# Altium PCB MEGAphone.PcbDoc (part 2 of 5)
Units mm, origin at the board's own origin, x right, y up, seen from the top; angles counter-clockwise.
Board outline 213.75 x 99.74 mm, 4 copper layers (Component Side, Signal Layer 1, Signal Layer 2, Bottom Layer), stack 1.49 mm thick; 321 components, 321 nets, 1903 pads, 1858 vias.
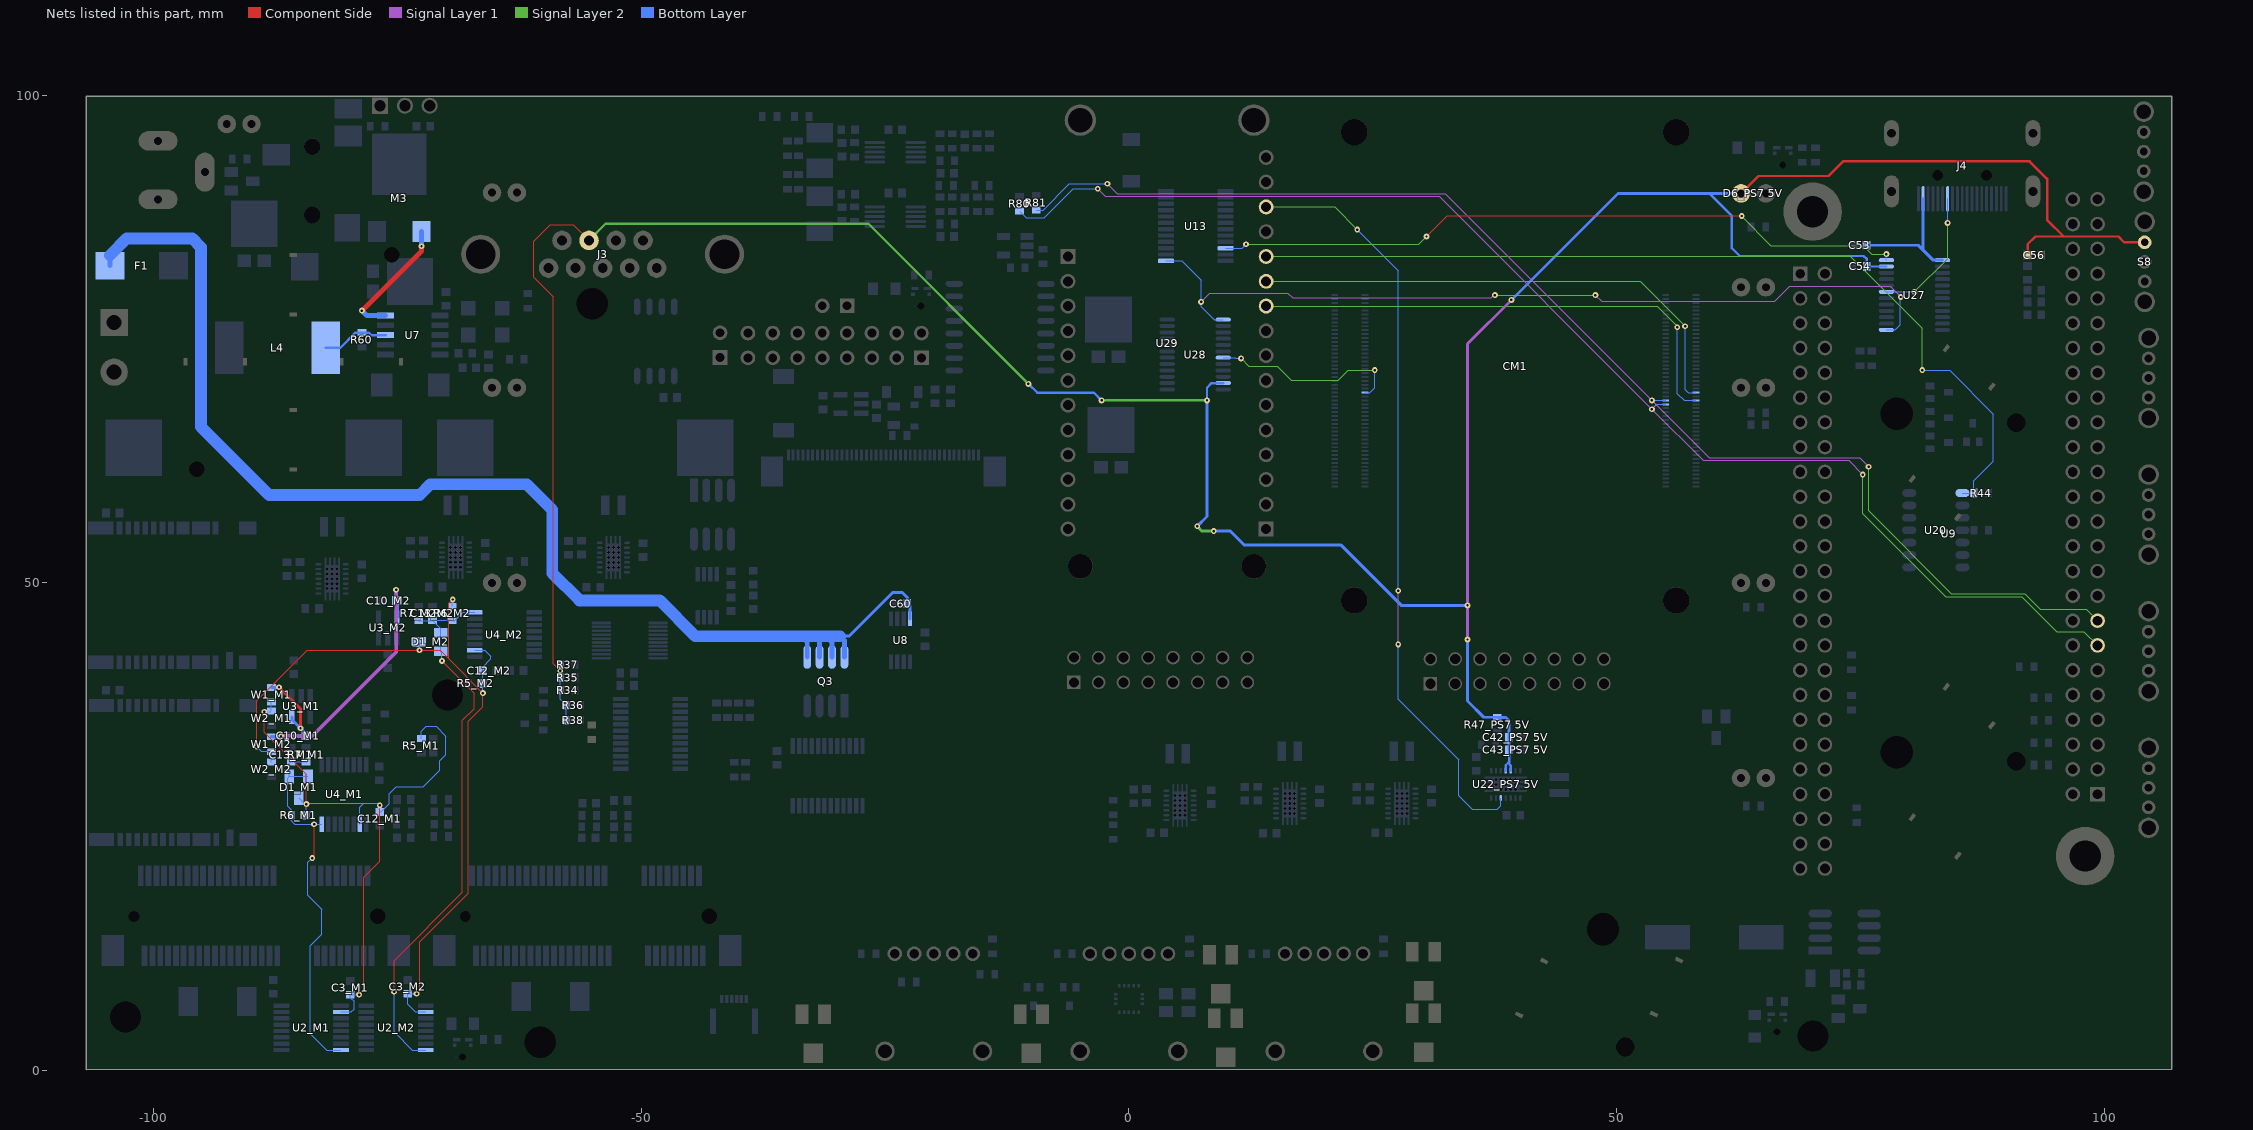
[diagram p4: the nets of this part, all layers, seen from the top]

## Footprints (in the part's own frame and the unit in brackets; to place one, negate y for a bottom-side part, rotate by r counter-clockwise, add the part's x,y. Pads: shape width x height; smd on the part's side, far side on the other; paste and mask are expansions set on the pad) (continued)
DSJ14-4000X1580TP_V [mm] "SON, 14-Leads, Body 4.15x3.15mm, Pitch 0.5mm"
  oval 0.6x0.24 smd mask+0.07: 1(-1.4,1.5) 2(-1.4,1) 3(-1.4,0.5) 4(-1.4,0) 5(-1.4,-0.5) 6(-1.4,-1) 7(-1.4,-1.5) 8(1.4,-1.5) 9(1.4,-1) 10(1.4,-0.5) 11(1.4,0) 12(1.4,0.5) 13(1.4,1) 14(1.4,1.5)
  rect 0.2x0.775 smd: 15(-0.69,-1.813) 15(-0.69,1.813) 15(-0.23,-1.813) 15(-0.23,1.813) 15(0.23,-1.813) 15(0.23,1.813) 15(0.69,-1.813) 15(0.69,1.813)
  round 0.3 hole 0.3: 15(-0.508,-1.016) 15(-0.508,-0.508) 15(-0.508,0) 15(-0.508,0.508) 15(-0.508,1.016) 15(0,-1.016) 15(0,-0.508) 15(0,0) 15(0,0.508) 15(0,1.016) 15(0.508,-1.016) 15(0.508,-0.508) 15(0.508,0) 15(0.508,0.508) 15(0.508,1.016)
  rect 1.58x2.85 smd paste-1: 15(0,0)
  silkscreen extent -2.15,1.45 -2.05,1.55, body extent -1.57,-2.07 1.57,2.08, height 1
FC-135 [mm] "Low profile SMD crystal"
  rect 1x1.8 smd: 1(-1.25,0) 2(1.25,0)
  silkscreen extent -0.5,-0.8 0.5,0.8, body extent -1.6,-0.75 1.6,0.75, height 0.8
FP-95570-MFG [mm]
  rect 1.4x1.27 smd paste+0 mask+0: 1(1.04,-2.765) 2(-1.04,-2.765)
  rect 4.8x4.72 smd paste+0 mask+0: K(0,1.04)
  silkscreen extent -2.17,-3.07 2.18,-1.7, body extent -2.3,-3.25 2.3,3.25, height 1.21
FP-C04-189-MFG [mil]
  rect 73x85 smd paste+0 mask+0: 1(-90,-176.25) 3(90,-176.25)
  rect 219x248 smd paste+0 mask+0: 4(0,94.75)
  silkscreen extent -133,-90 132,155, body extent -129,-195 129,195, height 99
"FUSE OMF125" [mm] "SCHURTER OMF125"
  rect 3x2.8 smd: 1(-3.25,0) 2(3.25,0)
  silkscreen extent -3.7,-1.8 3.7,1.8, body extent -3.7,-1.55 3.7,1.55, height 2.58
HDR1X2 [mm] "Connector; Header; 2 Position"
  rect 1.5x1.5 hole 0.9: 1(0,0)
  round 1.5 hole 0.9: 2(2.54,0)
  silkscreen extent -1.27,-1.27 3.81,1.27
HDR2X8 [mm] "Connector; Header; 8x2 Position"
  rect 1.5x1.5 hole 0.9: 1(0,0)
  round 1.5 hole 0.9: 2(0,2.54) 3(2.54,0) 4(2.54,2.54) 5(5.08,0) 6(5.08,2.54) 7(7.62,0) 8(7.62,2.54) 9(10.16,0) 10(10.16,2.54) 11(12.7,0) 12(12.7,2.54) 13(15.24,0) 14(15.24,2.54) 15(17.78,0) 16(17.78,2.54)
  silkscreen extent -1.27,-1.27 19.05,3.81
KEMT-T491-D_L [mm] "Molded Capacitor, 2-Leads, Body 7.60x4.60mm, IPC High Density"
  rect 2.2x2.35 smd: 1(-2.925,0) 2(2.925,0)
  silkscreen extent -4.52,-2.3 3.8,2.3, body extent -3.8,-2.3 3.8,2.3, height 3.1
LCD [mm]
  silkscreen extent -60.25,-41.25 60.25,38.25, body extent -60.25,-38.25 60.25,38.25, height 6.5
"LED 3mm Red" [mm]
  round 1.9 hole 0.813: A(1.27,0) K(-1.27,0)
  silkscreen extent -2.3,-2.54 2.54,2.54, body extent -1.49,-1.5 1.5,1.5, height 4.7
LGA-16_3x3x1mm [mil] "Accelerometer"
  rect 14x10 smd paste+0 mask+0: 1(53,-39.37) 2(53,-19.68) 3(53,0) 4(53,19.69) 5(53,39.37) 9(-53,39.37) 10(-53,19.69) 11(-53,0) 12(-53,-19.68) 13(-53,-39.37)
  rect 10x14 smd paste+0 mask+0: 6(19.69,53) 7(0,53) 8(-19.68,53) 14(-19.68,-53) 15(0,-53) 16(19.69,-53)
  silkscreen extent -80,-67 67,67
"MICROPHONE MEMS SPW0690LM4H-1"#1 [mm] "MULTIMODE DIGITAL BOTTOM PORT  SISONIC™ MICROPHONE"
  round 0 hole 0.7 unplated: 0(0,0)
  rect 0.748x0.353 smd paste+0 mask+0: 1(-0.635,1.778) 5(0.614,1.778)
  rect 0.374x0.348 smd paste+0 mask+0: 2(-0.821,1.181) 4(0.821,1.181)
  round 0.1 smd paste-10 mask+0.051: 3(0.662,0)
  Component Side region: -0.821,1.356 -0.821,1.008 -0.392,1.008 -0.261,1.062 -0.261,1.356
  Component Side region: 0.821,1.356 0.821,1.008 0.392,1.008 0.261,1.062 0.261,1.356
  Component Side lines w0.3: 0.663,0 ccw(c0,0) -0.663,0 ccw(c0,0) 0,-0.663 ccw(c0,0) 0.663,0
  silkscreen extent -1.13,-1.14 1.11,2.08, body extent -1.25,-0.98 1.25,2.12, height 0.85
"MICROPHONE MEMS SPW0690LM4H-1"#2 [mm] "MULTIMODE DIGITAL BOTTOM PORT  SISONIC™ MICROPHONE"
  round 0 hole 0.7 unplated: 0(0,0)
  rect 0.748x0.353 smd paste+0 mask+0: 1(-0.635,1.778) 5(0.614,1.778)
  rect 0.374x0.348 smd paste+0 mask+0: 2(-0.821,1.182) 4(0.821,1.182)
  round 0.1 smd paste-10 mask+0.051: 3(0.663,0)
  Component Side region: -0.821,1.356 -0.821,1.008 -0.392,1.008 -0.261,1.062 -0.261,1.356
  Component Side region: 0.821,1.356 0.821,1.008 0.392,1.008 0.261,1.062 0.261,1.356
  Component Side lines w0.3: 0.663,0 cw(c0,0) 0.638,-0.179 cw(c0,0) -0.313,-0.584 cw(c0,0) -0.663,0 cw(c0,0) -0.658,0.079 cw(c0,0) 0.663,0
  silkscreen extent -1.13,-1.14 1.11,2.08, body extent -1.25,-0.98 1.25,2.12, height 0.85
"MICROPHONE MEMS SPW0690LM4H-1"#3 [mm] "MULTIMODE DIGITAL BOTTOM PORT  SISONIC™ MICROPHONE"
  round 0 hole 0.7 unplated: 0(0,0)
  rect 0.748x0.353 smd paste+0 mask+0: 1(-0.635,1.778) 5(0.614,1.778)
  rect 0.374x0.348 smd paste+0 mask+0: 2(-0.821,1.182) 4(0.821,1.182)
  round 0.1 smd paste-10 mask+0.051: 3(0.663,0)
  Component Side region: -0.821,1.356 -0.821,1.008 -0.392,1.008 -0.261,1.062 -0.261,1.356
  Component Side region: 0.821,1.356 0.821,1.008 0.392,1.008 0.261,1.062 0.261,1.356
  Component Side lines w0.3: 0.663,0 cw(c0,0) -0.663,0 cw(c0,0) 0.663,0
  silkscreen extent -1.13,-1.14 1.11,2.08, body extent -1.25,-0.98 1.25,2.12, height 0.85
MODULE_FEATHER_M0_BASIC_PROTO [mm]
  rect 1.53x1.53 hole 1.02: P1_1(19.05,-10.16) P2_1(-8.89,10.16)
  round 1.53 hole 1.02: P1_2(16.51,-10.16) P1_3(13.97,-10.16) P1_4(11.43,-10.16) P1_5(8.89,-10.16) P1_6(6.35,-10.16) P1_7(3.81,-10.16) P1_8(1.27,-10.16) P1_9(-1.27,-10.16) P1_10(-3.81,-10.16) P1_11(-6.35,-10.16) P1_12(-8.89,-10.16) P1_13(-11.43,-10.16) P1_14(-13.97,-10.16) P1_15(-16.51,-10.16) P1_16(-19.05,-10.16) P2_2(-6.35,10.16) P2_3(-3.81,10.16) P2_4(-1.27,10.16) P2_5(1.27,10.16) P2_6(3.81,10.16) P2_7(6.35,10.16) P2_8(8.89,10.16) P2_9(11.43,10.16) P2_10(13.97,10.16) P2_11(16.51,10.16) P2_12(19.05,10.16)
  round 3.2 hole 2.5: P$1(-22.86,8.89) P$2(-22.86,-8.89)
  round 2.54 hole 2.54 unplated: ""(22.86,-8.89) ""(22.86,8.89)
  silkscreen extent -25.4,-11.43 25.4,11.43
ONSC-SMA-FL-2-403AA-01_V [mm] "Molded, 2-Leads, Body 4.6x2.8mm"
  rect 1.3x1.76 smd: 1(-2.13,0) 2(2.13,0)
  silkscreen extent -3.07,-1.4 2.3,1.56, body extent -2.3,-1.4 2.3,1.4, height 1.1
ONSC-SOD-123-2-425-04_V [mm] "SOD, 2-Leads, Body 2.69x1.6mm"
  rect 0.91x1.22 smd: 1(-1.635,0) 2(1.635,0)
  silkscreen extent -1.76,-0.8 0.78,1.28, body extent -1.35,-0.8 1.35,0.8, height 1.35
ONSC-SOD-323-2-477-02_V [mm] "SOD, 2-Leads, Body 1.7x1.25mm"
  rect 0.63x0.83 smd: 1(-1.115,0) 2(1.115,0)
  silkscreen extent -1.24,-0.68 0.4,1.09, body extent -0.85,-0.63 0.85,0.63, height 1.06
POT4MM-2 [mm] "Square Trimming Potentiometer"
  rect 2x1.3 smd: CCW(-2,-1.15) CW(-2,1.15)
  rect 2x2 smd: W(2,0)
  silkscreen extent -2.5,-2.5 2.5,2.5
"POT 10P2VF-D-141Y" [mm] "10MM SIZE THIN MICRO POTENTIOMETER, INSULATED SHAFT SERIES"
  round 2 hole 1.4: 0(-5,10) 0(5,10)
  round 1.5 hole 1: 1(-4,0) 2A(-2,0) 2B(0,0) 3A(4,0) 3B(2,0)
  silkscreen extent -7,0 7,14.5
PW0024A_M [mm] "SOP, 24-Leads, Body 7.9x4.5mm, Pitch 0.65mm, IPC Low Density"
  rrect22% 1.6x0.45 smd: 1(-3.05,3.575) 2(-3.05,2.925) 3(-3.05,2.275) 4(-3.05,1.625) 5(-3.05,0.975) 6(-3.05,0.325) 7(-3.05,-0.325) 8(-3.05,-0.975) 9(-3.05,-1.625) 10(-3.05,-2.275) 11(-3.05,-2.925) 12(-3.05,-3.575) 13(3.05,-3.575) 14(3.05,-2.925) 15(3.05,-2.275) 16(3.05,-1.625) 17(3.05,-0.975) 18(3.05,-0.325) 19(3.05,0.325) 20(3.05,0.975) 21(3.05,1.625) 22(3.05,2.275) 23(3.05,2.925) 24(3.05,3.575)
  silkscreen extent -3.17,-3.95 1.85,4.47, body extent -3.21,-3.9 3.21,3.9, height 1
RFD900 [mm]
  rect 1.39x1.39 hole 1.04: 1(0,0)
  round 1.39 hole 1.04: 2(0,2.54) 3(-2.54,0) 4(-2.54,2.54) 5(-5.08,0) 6(-5.08,2.54) 7(-7.62,0) 8(-7.62,2.54) 9(-10.16,0) 10(-10.16,2.54) 11(-12.7,0) 12(-12.7,2.54) 13(-15.24,0) 14(-15.24,2.54) 15(-17.78,0) 16(-17.78,2.54)
  silkscreen extent -19.3,-1.2 2.27,3.75, body extent -24.16,-1.44 6.64,50.58, height 16.76
S70FL01GS [mm] "SOP, 16-Leads, Body 10.30x7.50mm, Pitch 1.27mm, IPC Medium Density"
  oval 1.8x0.6 smd: 1(-4.7,4.445) 2(-4.7,3.175) 3(-4.7,1.905) 4(-4.7,0.635) 5(-4.7,-0.635) 6(-4.7,-1.905) 7(-4.7,-3.175) 8(-4.7,-4.445) 9(4.7,-4.445) 10(4.7,-3.175) 11(4.7,-1.905) 12(4.7,-0.635) 13(4.7,0.635) 14(4.7,1.905) 15(4.7,3.175) 16(4.7,4.445)
  silkscreen extent -4.83,-5.15 3.4,5.42, body extent -5.15,-5.15 5.15,5.15, height 2.65
"SC70-3 (SOT-323)" [mm]
  rect 0.7x0.9 smd paste-0.025 mask+0.05: 1(-0.65,-0.95) 2(0.65,-0.95) 3(0,0.95)
  silkscreen extent -1.33,-1.1 1.1,0.7, body extent -1.07,-0.72 1.07,0.7, height 0.9
"SOCKET 3.5 TRRS CUI_SJ-43515TS-SMT" [mm] "3.5 MM AUDIO JACKS"
  round 1.7 hole 1.7 unplated: 0(0,0) 0(7,0)
  rect 2x2.8 smd: 1(-3.9,-3.7)
  rect 2.8x2.6 smd: 2(8.3,-3.6)
  rect 2.2x2.8 smd: 3(0.8,3.7) 4(-1.1,-3.7)
  rect 2.8x2.8 smd: 5(12.3,0.75)
  silkscreen extent -6.2,-3.95 11,3, body extent -6.2,-4.5 13,4.5, height 5.1
SOIC-8-H_SLDR [mm]
  rect 2.4x0.8 smd: 1(-2.5,1.905)
  oval 2.4x0.8 smd: 2(-2.5,0.635) 3(-2.5,-0.635) 4(-2.5,-1.905) 5(2.5,-1.905) 6(2.5,-0.635) 7(2.5,0.635) 8(2.5,1.905)
  silkscreen extent -2.61,-2.8 2,3.37, body extent -2,-2.5 2,2.5, height 1.75
SOIC-14 [mm] "SOIC, 14-Leads, Body 8.65x3.90mm, Pitch 1.27mm, IPC Medium Density"
  oval 1.45x0.8 smd: 1(-2.725,3.81) 2(-2.725,2.54) 3(-2.725,1.27) 4(-2.725,0) 5(-2.725,-1.27) 6(-2.725,-2.54) 7(-2.725,-3.81) 8(2.725,-3.81) 9(2.725,-2.54) 10(2.725,-1.27) 11(2.725,0) 12(2.725,1.27) 13(2.725,2.54) 14(2.725,3.81)
  silkscreen extent -2.85,-4.3 1.6,4.88, body extent -3,-4.3 3,4.3, height 1.75
SOP65P640X120-24N [mm]
  oval 1.57x0.41 smd: 1(-2.87,3.575) 2(-2.87,2.925) 3(-2.87,2.275) 4(-2.87,1.625) 5(-2.87,0.975) 6(-2.87,0.325) 7(-2.87,-0.325) 8(-2.87,-0.975) 9(-2.87,-1.625) 10(-2.87,-2.275) 11(-2.87,-2.925) 12(-2.87,-3.575) 13(2.87,-3.575) 14(2.87,-2.925) 15(2.87,-2.275) 16(2.87,-1.625) 17(2.87,-0.975) 18(2.87,-0.325) 19(2.87,0.325) 20(2.87,0.975) 21(2.87,1.625) 22(2.87,2.275) 23(2.87,2.925) 24(2.87,3.575)
  silkscreen extent -2.97,-3.96 2.25,4.22, body extent -3.2,-3.94 3.2,3.95, height 1.15
SOT-23 [mm]
  rect 1x1.4 smd: 1(-0.95,-1.1) 2(0.95,-1.1) 3(0,1.1)
  silkscreen extent -1.5,-0.89 1.5,0.75, body extent -1.5,-0.75 1.5,0.75, height 1.3
SOT-23-5 [mm]
  rect 0.55x1.45 smd: 1(-0.948,-1.075) 2(0.002,-1.075) 3(0.952,-1.075) 4(0.952,1.075) 5(-0.948,1.075)
  silkscreen extent -1.67,-2.22 1.55,0.9, body extent -1.5,-0.95 1.5,0.95, height 1.45
SOT-23-OT5_M [mm] "SOT23, 5-Leads, Body 2.9x1.7mm, Pitch 0.95mm, Lead Span 2.8mm, IPC Low Density"
  rect 1.3x0.7 smd: 1(-1.2,0.95) 2(-1.2,0) 3(-1.2,-0.95) 4(1.2,-0.95) 5(1.2,0.95)
  silkscreen extent -1.33,-1.55 0.15,1.97, body extent -0.9,-1.55 0.9,1.55, height 1.45
Speaker [mm]
  round 1.524 hole 3.2: 1(-16.5,16.5) 1(16.5,-16.5)
  silkscreen extent -20,-20 20,20
SSOP10 [mm]
  rect 0.6x1.75 smd: 1(-2,-2.8) 2(-1,-2.8) 3(0,-2.8) 4(1,-2.8) 5(2,-2.8) 6(2,2.8) 7(1,2.8) 8(0,2.8) 9(-1,2.8) 10(-2,2.8)
  silkscreen extent -1.91,-1.02 -1.91,1.02
"Switch SPDT OS102011MA1Q" [mm] "C&K OS Series  Miniature Slide Switches RA, SPDT"
  round 1.4 hole 0.8 mask+0: 1(-2,0) 2(0,0) 3(2,0)
  round 2.1 hole 1.5 mask+0: 15(-4.1,0) 15(4.1,0)
  silkscreen extent -4.31,-6.21 4.29,2.19, body extent -4.3,-6.2 4.3,2.2, height 4.7
TDK-SLF-6025-2_V [mm] "SMD, 2-Leads, Body 6x6mm, Height 2.7mm"
  rect 1.5x2.2 smd: 1(-2.75,0) 2(2.75,0)
  silkscreen extent -4.17,-3 3,3, body extent -3,-3 3,3, height 2.7
TI-DGK8_V [mm] "VSSOP, 8-Leads, Body 3x3mm, Pitch 0.65mm"
  rect 1.45x0.45 smd paste+0 mask+0.05: 1(-2.2,0.975) 2(-2.2,0.325) 3(-2.2,-0.325) 4(-2.2,-0.975) 5(2.2,-0.975) 6(2.2,-0.325) 7(2.2,0.325) 8(2.2,0.975)
  silkscreen extent -3.6,-1.5 1.07,1.5, body extent -1.5,-1.5 1.5,1.5, height 1.1
"TRENZ TE-0725" [mm] "FPGA Break out using 2 off 50pos headers"
  round 6 hole 3.2: 0(0,0) 0(27.94,66.042)
  rect 1.5x1.5 hole 1: 1A(-1.27,6.351) 1B(29.21,59.692)
  round 1.5 hole 1: 2A(1.27,6.351) 2B(26.67,59.692) 3A(-1.27,8.891) 3B(29.21,57.152) 4A(1.27,8.891) 4B(26.67,57.152) 5A(-1.27,11.431) 5B(29.21,54.612) 6A(1.27,11.431) 6B(26.67,54.612) 7A(-1.27,13.971) 7B(29.21,52.072) 8A(1.27,13.971) 8B(26.67,52.072) 9A(-1.27,16.511) 9B(29.21,49.532) 10A(1.27,16.511) 10B(26.67,49.532) 11A(-1.27,19.051) 11B(29.21,46.992) 12A(1.27,19.051) 12B(26.67,46.992) 13A(-1.27,21.591) 13B(29.21,44.452) 14A(1.27,21.591) 14B(26.67,44.452) 15A(-1.27,24.131) 15B(29.21,41.912) 16A(1.27,24.131) 16B(26.67,41.912) 17A(-1.27,26.671) 17B(29.21,39.372) 18A(1.27,26.671) 18B(26.67,39.372) 19A(-1.27,29.211) 19B(29.21,36.832) 20A(1.27,29.211) 20B(26.67,36.832) 21A(-1.27,31.751) 21B(29.21,34.292) 22A(1.27,31.751) 22B(26.67,34.292) 23A(-1.27,34.291) 23B(29.21,31.752) 24A(1.27,34.291) 24B(26.67,31.752) 25A(-1.27,36.831) 25B(29.21,29.212) 26A(1.27,36.831) 26B(26.67,29.212) 27A(-1.27,39.371) 27B(29.21,26.672) 28A(1.27,39.371) 28B(26.67,26.672) 29A(-1.27,41.911) 29B(29.21,24.132) 30A(1.27,41.911) 30B(26.67,24.132) 31A(-1.27,44.451) 31B(29.21,21.592) 32A(1.27,44.451) 32B(26.67,21.592) 33A(-1.27,46.991) 33B(29.21,19.052) 34A(1.27,46.991) 34B(26.67,19.052) 35A(-1.27,49.531) 35B(29.21,16.512) 36A(1.27,49.531) 36B(26.67,16.512) 37A(-1.27,52.071) 37B(29.21,13.972) 38A(1.27,52.071) 38B(26.67,13.972) 39A(-1.27,54.611) 39B(29.21,11.432) 40A(1.27,54.611) 40B(26.67,11.432) 41A(-1.27,57.151) 41B(29.21,8.892) 42A(1.27,57.151) 42B(26.67,8.892) 43A(-1.27,59.691) 43B(29.21,6.352) 44A(1.27,59.691) 44B(26.67,6.352) 45A(-1.27,62.231) 45B(29.21,3.812) 46A(1.27,62.231) 46B(26.67,3.812) 47A(-1.27,64.771) 47B(29.21,1.272) 48A(1.27,64.771) 48B(26.67,1.272) 49A(-1.27,67.311) 49B(29.21,-1.268) 50A(1.27,67.311) 50B(26.67,-1.268)
  silkscreen extent -6,-4.79 31.37,69.47, body extent -6,-4.79 31.69,77.97, height 27.23
TSSOP-16 [mm] "SOP, 16-Leads, Body 5.1x4.5mm, Pitch 0.65mm, IPC Low Density"
  rrect22% 1.6x0.45 smd: 1(-3.05,2.275) 2(-3.05,1.625) 3(-3.05,0.975) 4(-3.05,0.325) 5(-3.05,-0.325) 6(-3.05,-0.975) 7(-3.05,-1.625) 8(-3.05,-2.275) 9(3.05,-2.275) 10(3.05,-1.625) 11(3.05,-0.975) 12(3.05,-0.325) 13(3.05,0.325) 14(3.05,0.975) 15(3.05,1.625) 16(3.05,2.275)
  silkscreen extent -3.17,-2.55 1.85,3.17, body extent -3.21,-2.5 3.21,2.5, height 1
VISH-TSOP38238 [mm] "TH, 3-Leads, Body 5.00x4.80mm, Pitch 2.54mm"
  rect 1.65x1.65 hole 1.15: 1(-2.54,0)
  round 1.65 hole 1.15: 2(0,0) 3(2.54,0)
  silkscreen extent -4.04,-3.4 2.5,1.4, body extent -2.89,-3.4 2.89,1.4, height 8.55
WE-PD-L [mm] "SMD Inductor, 2-Leads, Body 12.0 x 12.0 mm"
  rect 2.9x5.4 smd: 1(-4.95,0) 2(4.95,0)
  silkscreen extent -6.25,-6.25 6.25,6.25, body extent -6,-6 6,6, height 5.98

## Part data
BT1: "Multicell Battery", Manufacturer=Phoenix, Manufacturer Number=1757242, Digikey Number=277-1106-ND
C1_M1 C1_M2: library part "Cap Pol", "Polarized Capacitor (Radial)", Manufacturer="AVX Corporation", Manufacturer Number=TPSD477K006R0060, Digikey Number=478-11421-1-ND
C2_M1 C2_M2 C5_M1 C5_M2 C6_M1 C6_M2 C7_M1 C7_M2 C8_M1 C8_M2 C11_M1 C11_M2 C12_M1 C12_M2 C14 C21 C24_FA C24_FB C26_FA C26_FB C27_FA C27_FB C28 C29 C30 C31 C39 C41_PS4 "C41_PS7 5V" C45_PS1 C45_PS2 C45_PS3 C45_PS5 C45_PS6 C51 C52 C53 C54 C55 C56 C61: library part Cap, "Capacitor"
  C27_FA C27_FB: Digikey Number=732-7771-1-ND
C3_M1 C3_M2 C4_M1 C4_M2 C9_M1 C9_M2 C10_M1 C10_M2 C13_M1 C13_M2 C20 C36 C37 C59: library part Cap, "Capacitor", Manufacturer=Samsung, Manufacturer Number=CL10B105MO8NNWC, Digikey Number=1276-6524-1-ND
C18: library part cap, "?????"
C19 C38 C60: library part Cap, "Capacitor", Manufacturer=Murata, Manufacturer Number=GRM188D71A106MA73D, Digikey Number=490-7200-1-ND
C22_FA C22_FB C23_FA C23_FB: library part Cap, "Capacitor", Manufacturer="Wurth Electronics Inc.", Manufacturer Number=885012006029, Digikey Number=732-7771-1-ND
C25_FA C25_FB: library part Cap, "Capacitor", Manufacturer="Taiyo Yuden", Manufacturer Number=LMK325BJ107MM-T, Digikey Number=587-1965-1-ND
C32 C33 C34 C35: library part Cap, "Capacitor", Manufacturer="TDK Corporation", Manufacturer Number=CGJ4J2C0G1H333J125AA, Digikey Number=445-8162-1-ND
C40_PS4 "C40_PS7 5V" C42_PS4 "C42_PS7 5V" C43_PS4 "C43_PS7 5V" C44_PS1 C44_PS2 C44_PS3 C44_PS5 C44_PS6 C46_PS1 C46_PS2 C46_PS3 C46_PS5 C46_PS6 C47_PS1 C47_PS2 C47_PS3 C47_PS5 C47_PS6: library part Cap, "Capacitor", Manufacturer=MuRata, Manufacturer Number=GRM188R60J226MEA0D, Digikey Number=490-7611-1-ND
C48 C49: library part CMP-1036-01531-1, "0805 (2012 Metric)", Case-EIA=0805, Case-Metric=2012, Rated Voltage="100 V", Tolerance=±2%, Max Thickness="1 mm", Technology=SMT
C50: library part "Cap Pol", "Polarized Capacitor (Radial)", Manufacturer=KEMET, Manufacturer Number=FC0H473ZFTBR24, Digikey Number=399-10938-1-ND
C57 C58: library part cap2
CM1: library part CM4, "Raspberry Pi Compute Module 4 by Amornthep Phunsin"
D1_M1 D1_M2 D8: "Dual Common Cathode Silicon Low Leakage Diode 3-Pin SOT-23", Manufacturer="Infineon Technologies", Manufacturer Number=BAV170E6327HTSA1, Digikey Number=BAV170E6327HTSA1CT-ND
D2 D3 D6_PS4 "D6_PS7 5V" D7_PS1 D7_PS2 D7_PS3 D7_PS5 D7_PS6: library part LED, "LED"
  D6_PS4 "D6_PS7 5V" D7_PS1 D7_PS2 D7_PS3 D7_PS5 D7_PS6: Digikey Number=732-5005-ND
D4: library part DIODE_SCHOTTKY, "Diode", Manufacturer="ON Semiconductor", Digikey Number=MBR0540CT-ND, Manufacturer Number=MBR0540
D5: library part "ZENER DIODE", "Zener Diode", Manufacturer="ON Semiconductor", Digikey Number=MM3Z24VT1GOSCT-ND, Manufacturer Number=MM3Z24VT1G
D9 D10 D11 D12: "10.0A SCHOTTKY BARRIER RECTIFIER"
D13: library part CMP-1061-00270-1, "600 W Peak Power Zener Transient Voltage Suppressor, Unidirectional, 2-Pin SMA-FL, Pb-Free, Tape and Reel", Manufacturer="On Semiconductor", PartNumber=NS6A12AFT3G, ComponentLink1Description="Manufacturer URL", ComponentLink1URL=http://www.onsemi.com/, ComponentLink2Description=Datasheet, ComponentLink2URL=http://www.onsemi.com/pub_link/Collateral/NS6A5.0AF-D.PDF, ComponentLink3Description="Package Specification", ComponentLink3URL=http://www.onsemi.com/pub_link/Collateral/403AA.PDF, DatasheetVersion="Rev. 0", Direction=Unidirectional, IR Max (uA)=0.5, Mounting Technology="Surface Mount", PackageDescription="2-Pin Small Molded Package, Body 2.6 x 4.3 mm", PackageReference=SMA-FL-2-403AA-01, PackageVersion="Rev. O, 03/2011", Packing="Tape and Reel", PPK Max (W)=600, RoHS=Pb-Free, V(BR) Typ (V)=14
ESP1: "Header, 8-Pin, Dual row", LatestRevisionDate=17-Jul-2002, LatestRevisionNote="Re-released for DXP Platform.", Publisher="Altium Limited"
F1: library part Fuse, "Fuse", Manufacturer="Schurter Inc.", Manufacturer Number=3404.0021.11, Digikey Number=486-2999-ND
F2_FA F2_FB: library part Fuse, "Fuse", Manufacturer="Murata Electronics", Manufacturer Number=PRG18BB330MB1RB, Digikey Number=490-2471-1-ND
J1_M1 J1_M2: library part 104642-1610, "Molex 104642 Series 8 Way Micro SIM, MicroSD Memory Card Connector with Solder Termination", Manufacturer=Molex, RS Part Number=1213817P, Digikey Number=WM12958CT-ND, Manufacturer Number=104642-1610
J2: "SJ Series 3.5 mm 16 V 4 Conductor SMT Mid Mount Stereo Audio Jack", Manufacturer=CUI, Manufacturer Number=SJ-43515TS-SMT-TR, Digikey Number=CP-43515TSSJCT-ND
J3: "Receptacle Assembly, 9 Position, Right Angle", Manufacturer="Assman WSW", Manufacturer Number="A-DS 09 A/KG-T2S", Digikey Number=AE10968-ND
J4: "HDMI Buchse 19Pol. 90°", Case=HDMI, Temperature-Range=-25/+85, AN=26642, Extra=WE685119134923, H-ART=685119134923, HelpURL=B:\AD\adlib\datasheet\685119134923, Mixed=SMT, Trenz-Stock=Yes
L1: Manufacturer=TDK, Manufacturer Number=SLF6025T-100M1R0-PF, Digikey Number=445-174416-1-ND
L2_PS4 "L2_PS7 5V": library part Inductor_1, Manufacturer="Samsung Electro-Mechanics", Manufacturer Number=CIGW252010GL1R0MNE, Digikey Number=1276-6932-1-ND
L3_PS1 L3_PS2 L3_PS3 L3_PS5 L3_PS6: Manufacturer="Samsung Electro-Mechanics", Manufacturer Number=CIGW252010GL1R0MNE, Digikey Number=1276-6932-1-ND
L4: library part inductor_1
LS1 LS2: library part CON2
M3: "P-Channel Enhancement Mode Field Effect Transistor"
P1: library part DCPOWER, "2.1mm DC JACK", Manufacturer="Wurth Electronics Inc.", Manufacturer Number=694106301002, Digikey Number=732-5930-ND
P3: library part "Header 3X2", "Header, 3-Pin, Dual row", Element 14 Part Number=1324538, Manufacturer=Hirose, Manufacturer Number=FH12-6S-0.5SH(55), Digikey Number=HFJ106CT-ND
Q1_M1 Q1_M2 Q7 Q8 Q9: library part "Transistor PNP Prebiased", "PNP Bipolar Transistor, Prebiased", Manufacturer="ON Semiconductor", Digikey Number=MUN5133T1GOSCT-ND, Manufacturer Number=MUN5133T1G
Q2_M1 Q2_M2 Q10 Q11 Q12: library part "Transistor NPN Prebiased", "NPN Bipolar Transistor, Prebiased", Manufacturer="ON Semiconductor", Digikey Number=MUN5233T1GOSCT-ND, Manufacturer Number=MUN5233T1G
Q3 Q4: "N-Mosfet SOIC-8", Digikey Number=RS1G120MNTBCT-ND
Q5 Q6: "Power MOSFET, 200 mA, 50 V, N-Channel, 3-Pin SOT-23, Pb-Free, Tape and Reel", Element 14 Part Number=1431319, Manufacturer="On Semiconductor", Digikey Number=BSS138LT3GOSCT-ND, Manufacturer Number=BSS138LT3G
R1_M1 R1_M2 R2_M1 R2_M2 R3_M1 R3_M2 R4_M1 R4_M2 R5_M1 R5_M2 R6_M1 R6_M2 R7_M1 R7_M2 R8 R9 R10 R11 R12 R13 R14 R15 R16_FA R16_FB R17_FA R17_FB R18_FA R18_FB R19_FA R19_FB R20_FA R20_FB R21_FA R21_FB R22_FA R22_FB R23_FA R23_FB R24_FA R24_FB R25 R26 R27 R28 R29 R30 R31 R32 R33 R34 R35 R36 R37 R38 R39 R40 R41 R42 R43 R44 R45 R46 R47_PS4 "R47_PS7 5V" R48_PS4 "R48_PS7 5V" R49_PS4 "R49_PS7 5V" R50_PS1 R50_PS2 R50_PS3 R50_PS5 R50_PS6 R51 R53 R54 R56 R62 R66 R69 R70 R73 R75 R76 R78 R79 R80 R81: library part Resistor, "Resistor"
R52 R74: "Square Trimming Potentiometer", ComponentLink1Description="Manufacturer Link", ComponentLink1URL=http://bourns.com/2/search.html, DatasheetVersion=Oct-2003, PackageDescription="Square Trimming Potentiometer", PackageReference=POT4MM-2, Published=17-Dec-2003, Publisher="Altium Limited"
R55 R67 R72: library part "Resistor Potentiometer Dual", "Resistor", Manufacturer="TOP UP Industry", Manufacturer Number=10P2VF-D-14X1Y
R57 R58 R59 R61: library part Res, "Resistor", LatestRevisionDate=17-Jul-2002, LatestRevisionNote="Re-released for DXP Platform.", PackageReference=AXIAL-0.3, Published=8-Jun-2000, Publisher="Altium Limited"
R60 R63 R77: library part Res, "R sense"
R64 R65 R68 R71: library part "RPot SM", "Square Trimming Potentiometer", ComponentLink1Description="Manufacturer Link", ComponentLink1URL=http://bourns.com/2/search.html, DatasheetVersion=Oct-2003, PackageDescription="Square Trimming Potentiometer", PackageReference=POT4MM-2, Published=17-Dec-2003, Publisher="Altium Limited"
S1: library part "SW DIP-4", "DIP Switch, 4 Position, SPST"
S2 S3 S6: library part "SW DIP-2", "DIP Switch, 2 Position, SPST"
S4 S5 S7 S8 S9 S10: "SPDT Subminiature Toggle Switch, Right Angle Mounting, Vertical Actuation", Element 14 Part Number=1201431, Manufacturer="C & K COMPONENTS", Manufacturer Number=OS102011MA1QN1, Digikey Number=CKN9559-ND
U1_M1 U1_M2: Manufacturer=JAE, Manufacturer Number=MM60-52B1-E1-R650, Digikey Number=670-2275-1-ND
U2_M1 U2_M2 U4_M1 U4_M2: "6-Bit Bidirectional Level-Shifting and Voltage Translator with Auto-Direction Sensing and +/- 15-kV ESD Protection, 1.2 to 3.6 V, -40 to 85 degC, 16-Pin TSSOP (PW), Green (RoHS & no Sb/Br), Tape and Reel", Manufacturer="Texas Instruments", Digikey Number=296-23759-1-ND, Manufacturer Number=TXB0106PWR
U3_M1 U3_M2: "300 mA Single Output LDO in Small Packages", Manufacturer=Microchip, Manufacturer Number=MIC5504-1.8YM5-TR, Digikey Number=576-4879-1-ND
U5: "Single Channel Single ADC Delta-Sigma 40ksps 16-bit Serial 8-Pin SOP Tube", Manufacturer="Texas Instruments", Digikey Number=296-27654-5-ND, Manufacturer Number=AMC1203PSA
U7: "4A, Standalone Li-ion Battery Charger IC  With Photovoltaic Cell MPPT Function"
U8 U32: "Zero IQ Reverse Polarity Protection Smart Diode Controller"
U9: library part "TRENZ TE0725", "FPGA Module Xilinx Artix-7 100T, optical transceiver", Manufacturer="TE Connectivity", Manufacturer Number=7-534206-5, Digikey Number=A32951-ND
U10: library part "NOR Flash", Manufacturer=S70FL01GSDPMFI010, Digikey Number=S70FL01GSDPMFI010-ND, Manufacturer Number=S70FL01GS
U11_FA U11_FB: "Double Channel Wide Bandwidth Operational Amplifier, 2.2 MHz BW, 3.5 V/us SR, Industrial, 10-pin SOP (RM-10), Reel", Manufacturer="Analog Devices", Digikey Number=AD8592ARMZ-REELCT-ND, Manufacturer Number=AD8592ARMZ-REEL
U12 U13 U14: library part TCA9539, Manufacturer=NXP, Manufacturer Number=PCA9535APW,118, Digikey Number=568-9913-1-ND
U15: "Octal Bus Transceiver With 3-State Outputs 20-TSSOP -40 to 125", Manufacturer="Texas Instruments", Digikey Number=296-49918-1-ND, Manufacturer Number=SN74LVC245APWT
U16 U17 U18 U19: library part "MEMs Microphone", Manufacturer=Knowles, Manufacturer Number=SPW0690LM4H-1, Digikey Number=423-1423-1-ND
U20: Manufacturer="Texas Instruments", Manufacturer Number=SN74HC74DR, Digikey Number=296-1204-1-ND
U21: "FAN5333B Series 5.5 V 1.5 MHz High Efficiency High Current Serial LED Driver", Manufacturer="ON Semiconductor", Digikey Number=FAN5333BSXCT-ND, Manufacturer Number=FAN5333BSX
U22_PS4 "U22_PS7 5V": library part TPS63020DSJ14, "High Efficiency Single Inductor Buck-Boost Converter, 4 A, 1.8 to 5.5 V Input, 1.2 to 5.5 V Output, -40 to 85 degC, 14-Pin VSON (DSJ), Green (RoHS & no Sb/Br), Tape and Reel", Manufacturer="Texas Instruments", Manufacturer Number=TPS63020, Digikey Number=296-27230-1-ND?
U23_PS1 U23_PS2 U23_PS3 U23_PS5 U23_PS6: library part TPS63020DSJ14, "High Efficiency Single Inductor Buck-Boost Converter, 4 A, 1.8 to 5.5 V Input, 1.2 to 5.5 V Output, -40 to 85 degC, 14-Pin VSON (DSJ), Green (RoHS & no Sb/Br), Tape and Reel", Manufacturer="Texas Instruments", Digikey Number=296-37448-1-ND?, Manufacturer Number=TPS63021
U24: "Accelerometer", Digikey Number=497-10610-ND
U25: "PCF8563 Series 1.8 - 5.5 V 250 mA Real-time Clock/Calendar - SOIC-8"
U26: Element 14 Part Number=1324569, Manufacturer=Hirose, Manufacturer Number=FH12A-40S-0.5SH(55), Digikey Number=HFK140CT-ND
U27 U28: Case=TSSOP24, AN=25112, Extra="HDMI Companion Chip with I2C Level Shifting Buffer, 12 Channel ESD", H-ART=TPD12S016PWR, HelpURL=B:\AD\adlib\datasheet\TPD12S016, Mixed=SMT, Trenz-Stock=Yes
U29: "ATSAMD21G18 Feather M0 Basic Proto SAM D ARM® Cortex®-M0+ MCU 32-Bit Embedded Evaluation Board", Package=Package, Availability=Unavailable, MF="Adafruit Industries", MP="Feather M0 Basic Proto", Price=None
U30: library part CMP-1666-00022-1, "IR Receiver Modules for Remote Control System, 2.5 to 5.5 V, -25 to 85 degC, 3-Pin THD, RoHS, Bulk", Capacitance="1.8E-11 f", Frequency="24 MHz", Frequency Tolerance=30ppm, Load Capacitance="18 pF", Max Operating Temperature=70degC, Min Operating Temperature=-20degC, Package Quantity=1000, Resistance="40 Ohm", ComponentLink1Description="Manufacturer URL", ComponentLink1URL=http://www.vishay.com/, ComponentLink2Description=Datasheet, ComponentLink2URL=http://www.vishay.com/docs/82491/tsop382.pdf, DatasheetVersion="Rev. 1.5, 07/2016", ESR="40 Ohm", Height="0.041 inch", Length="0.197 inch", Mount="Surface Mount", PackageDescription="3-Pin Through Hole Device, Body 5.00 x 4.80 mm, Pitch 2.54 mm", PackageReference=VISH-TSOP38238, Packaging="Tape and Reel", Pins=4, REACH SVHC="No SVHC", RoHSCompliant=True, Tolerance=30ppm, Width="0.126 inch"
U31: library part CMP-0188-01201-1, "Low Power 10-Bit A/D Converter With I2C Interface, 5-Pin SOT-23, Extended Temperature, Tape and Reel", Code_IPC=SOT23-5, ComponentLink1Description="Manufacturer URL", ComponentLink1URL=http://www.microchip.com/, ComponentLink2Description=Datasheet, ComponentLink2URL=http://ww1.microchip.com/downloads/en/DeviceDoc/21805a.pdf, ComponentLink3Description="Package Specification", ComponentLink3URL=http://www.microchip.com/stellent/groups/techpub_sg/documents/packagingspec/en012702.pdf, DatasheetVersion="revA, May-2003", PackageDescription="5-Lead Plastic Small Outline Transistor (OT) [SOT-23]", PackageReference=SOT-23-OT5, PackageVersion="revBB, Aug-2009"
W1_M1 W1_M2 W2_M1 W2_M2: library part Jumper, "Jumper Wire", LatestRevisionDate=17-Jul-2002, LatestRevisionNote="Re-released for DXP Platform.", PackageDescription="Radial Cap, Thru-Hole; 2 Leads; 0.2 in Pin Spacing", PackageReference=RAD-0.2, Published=24-Mar-1999, Publisher="Altium Limited"
Y1: library part CRYSTAL, "Crystal", Manufacturer=EPSON, Manufacturer Number="FC-135R 32.7680KA-AG3", Digikey Number=SER4073CT-ND

## Free pads (board coordinates)
  round 1.524 hole 3.2: 0(70.104,3.556) 2(-60.325,2.921) 3(-54.991,78.613)

## Via types
v1: diameter 0.5, hole 0.3, Component Side to Bottom Layer, tented both sides, 1255 vias
v2: diameter 0.6, hole 0.25, Component Side to Bottom Layer, tented both sides, 517 vias
v3: diameter 0.6, hole 0.25, Component Side to Bottom Layer, 61 vias
v4: diameter 0.63, hole 0.33, Component Side to Bottom Layer, 25 vias

## Nets (pads, with @x,y where several pads share a name; then routed paths per layer and width w, separated by ;. In a path a pad name is that pad's centre, name@x,y a point inside that pad or via, vN(x,y) a via of type N, cw(c..) or ccw(c..) an arc to the next point about the centre after c; other vN are vias at no path point)
1V8_M1: C3_M1.1 C12_M1.1 D1_M1.3 R5_M1.1 R6_M1.1 U2_M1.2 U4_M1.2 W1_M1.2 W2_M1.2 | length 66.2
  Component Side w0.127: v2(-88.6,36.8) -88.6,34.7 -84.3,30.4 v2(-84.3,27.328) ; v2(-78.9,7.8) -78.4,8.3 -78.4,19.858 -76.779,21.479 v2(-76.779,27.2)
  Bottom Layer w0.127: v2(-88.6,36.8) -87.954,36.8 W2_M1.2@-87.874,36.88 W1_M1.2@-87.874,37.78 ; D1_M1.3@-85.09,27.962 -84.456,27.328 v2(-84.3,27.328) ; R6_M1.1@-84.34,26.195 -84.3,26.235 v2(-84.3,27.328) ; U2_M1.2@-80.75,6.025 -79.699,6.025 -79.4,6.324 -79.4,7.1 -79.8,7.5 C3_M1.1@-79.8,7.8 v2(-78.9,7.8) ; U4_M1.2@-78.807,25.269 -78.807,27.017 -78.424,27.4 ; R5_M1.1@-72.5,34.05 -72.5,34.8 -72,35.3 -71,35.3 -70,34.3 -70,32.397 -70.606,31.791 -70.606,30.824 -72.329,29.1 -75.1,29.1 -75.8,28.4 -75.8,27.363 -76.632,26.531 C12_M1.1@-76.779,26.531 v2(-76.779,27.2) -76.979,27.4 -78.424,27.4 ; v2(-84.3,27.328) -84.228,27.4 -78.424,27.4
1V8_M2: C3_M2.1 C12_M2.1 D1_M2.3 R5_M2.1 R6_M2.1 U2_M2.2 U4_M2.2 W1_M2.2 W2_M2.2 | length 86.4
  Component Side w0.127: v2(-89.4,33.2) -89.4,37.9 -84.209,43.091 v2(-72.7,43.091) -70.591,43.091 -69.7,42.2 ; v2(-73,7.9) -72.7,8.2 -72.7,13.2 -67.7,18.2 -67.7,35.8 -66.2,37.3 v2(-66.2,38.7) -69.7,42.2 ; v2(-69.3,48.3) -69.7,47.9 -69.7,42.2
  Bottom Layer w0.127: v2(-89.4,33.2) -88.93,32.73 W1_M2.2@-87.874,32.73 W2_M2.2@-87.874,31.63 ; v2(-73,7.9) C3_M2.1@-73.9,7.9 -73.9,6.8 -73.125,6.025 U2_M2.2@-72.05,6.025 ; D1_M2.3@-72.712,43.942 -72.712,43.103 v2(-72.7,43.091) ; R6_M2.1@-69.342,47.613 -69.342,48.258 v2(-69.3,48.3) ; U4_M2.2@-67.058,43.079 -67.046,43.091 -66,43.091 -65.4,42.491 -65.4,42.2 -66.232,41.368 C12_M2.1@-66.232,41.021 -66.232,39.732 R5_M2.1@-66.2,39.7 v2(-66.2,38.7)
1V8_OE_M1: C13_M1.1 D1_M1.1 D1_M1.2 R6_M1.2 R7_M1.1 U2_M1.8 U4_M1.8 | length 39.7
  Component Side w0.127: v2(-83.7,21.8) -83.5,22 v2(-83.5,25.269)
  Bottom Layer w0.127: R7_M1.1@-84.328,31.637 -84.378,31.687 C13_M1.1@-85.852,31.687 -86.04,31.499 D1_M1.1@-86.04,30.162 ; D1_M1.2@-84.14,30.162 D1_M1.1@-86.04,30.162 ; v2(-83.7,21.8) -84.14,21.36 -84.14,18 -82.707,16.567 -82.707,13.993 -83.9,12.8 -83.9,3.796 -82.229,2.125 U2_M1.8@-80.75,2.125 ; U4_M1.8@-82.707,25.269 v2(-83.5,25.269) -85.469,25.269 -85.84,25.64 R6_M1.2@-85.84,26.195 -85.84,26.74 -86.2,27.1 -86.2,30.002 D1_M1.1@-86.04,30.162
1V8_OE_M2: C13_M2.1 D1_M2.1 D1_M2.2 R6_M2.2 R7_M2.1 U2_M2.8 U4_M2.8 | length 57.5
  Component Side w0.127: v2(-75.3,8.1) -75.3,11.3 -68.3,18.3 -68.3,35.9 -67.1,37.1 -67.1,38.7 v2(-70.4,42)
  Bottom Layer w0.127: v2(-75.3,8.1) -75.3,4 -73.425,2.125 U2_M2.8@-72.05,2.125 ; R7_M2.1@-72.771,46.113 -71.424,46.113 C13_M2.1@-71.374,46.163 ; v2(-70.4,42) -70.4,42.88 D1_M2.2@-70.512,42.992 D1_M2.1@-70.512,44.892 -70.512,45.301 C13_M2.1@-71.374,46.163 ; U4_M2.8@-67.058,46.979 -68.221,46.979 -69.087,46.113 R6_M2.2@-69.342,46.113 -69.392,46.163 C13_M2.1@-71.374,46.163
1V8A_M1: C10_M1.1 U3_M1.5 W1_M1.1 | length 8.4
  Component Side w0.3: v2(-87.1,39.3) -84.9,37.1 v2(-84.9,35.1)
  Bottom Layer w0.3: W1_M1.1@-87.874,39.28 -87.12,39.28 v2(-87.1,39.3) ; U3_M1.5@-85.784,36.263 -85.784,35.984 v2(-84.9,35.1) -84.414,34.614 C10_M1.1@-84.414,34.323
1V8A_M2: C10_M2.1 U3_M2.5 W1_M2.1 | length 25.7
  Signal Layer 1 w0.381: v2(-86.9,34.3) -83.7,34.3 -75.1,42.9 v2(-75.1,49.3)
  Bottom Layer w0.381: W1_M2.1@-87.874,34.23 -86.97,34.23 v2(-86.9,34.3) ; v2(-75.1,49.3) -75.1,48.225 C10_M2.1@-75.137,48.188 -75.006,48.058 U3_M2.5@-75.006,46.469
5V_HDMI_A: "C42_PS7 5V.1" "C43_PS7 5V.1" "D6_PS7 5V.A" "R47_PS7 5V.1" "U22_PS7 5V.4" "U22_PS7 5V.5" C54.1 C56.1 J3.7 R34.1 R35.1 R36.1 R37.1 R38.1 S8.1 U27.11 U28.11 | length 336.3
  Component Side w0.127: v2(-58.281,41) -59,41.719 -59,79.3 -61,81.3 -61,85 -59.3,86.7 -56.93,86.7 J3.7@-55.33,85.1
  Component Side w0.25: 62.738,89.916 64.522,91.7 71.7,91.7 73.2,93.2 92.3,93.2 94.1,91.4 94.1,87.2 95.8,85.5 ; C56.1@92.1,83.6 92.1,84.7 92.9,85.5 95.8,85.5 ; S8.1@104.1,84.9 102,84.9 101.4,85.5 95.8,85.5
  Signal Layer 1 w0.3: v2(34.7,44.2) 34.7,74.5 v2(39.2,79)
  Signal Layer 2 w0.25: J3.7@-55.33,85.1 -53.63,86.8 -26.7,86.8 v2(-10.3,70.4) ; v2(-2.8,68.7) v2(8,68.7)
  Signal Layer 2 w0.3: v2(7,55.8) 7.5,55.3 v2(8.7,55.3)
  Bottom Layer w0.127: v2(-58.281,41) R34.1@-58.281,39.004 -58.281,38.059 R36.1@-57.676,37.454 R38.1@-57.676,35.926
  Bottom Layer w0.24: 38.617,30.748 38.617,31.317 39,31.7 39,31.4 39.117,31.283 39.117,30.748
  Bottom Layer w0.25: v2(-10.3,70.4) -9.4,69.5 -3.6,69.5 v2(-2.8,68.7) ; v2(8,68.7) 8,70 8.475,70.475 U28.11@9.67,70.475 ; 38.933,32.907 39,32.84 39,31.7 ; 59.5,89.916 61.8,87.616 61.8,84.3 62.6,83.5 75.3,83.5 75.625,83.175 C54.1@75.625,82.425 U27.11@77.63,82.425
  Bottom Layer w0.3: v2(7,55.8) 8,56.8 v2(8,68.7) ; v2(8.7,55.3) 10.4,55.3 11.8,53.9 21.7,53.9 27.9,47.7 v2(34.7,47.7) ; v2(34.7,44.2) 34.7,37.9 36.373,36.227 37.74,36.227 37.767,36.2 38.617,36.2 38.933,35.884 38.933,34.177 38.933,32.907 ; v2(39.2,79) 50.116,89.916 59.5,89.916 62.738,89.916
5V_HDMI_B: C53.1 J4.18 U27.13 | length 13.7
  Bottom Layer w0.3: C53.1@75.6,84.6 80.9,84.6 81.4,84.1 ; J4.18@81.4,89.365 81.4,84.1 ; U27.13@83.37,83.075 82.425,83.075 81.4,84.1
BAT: C60.1 F1.2 Q3.5 Q3.6 Q3.7 Q3.8 U8.8 | length 129.5
  Bottom Layer w0.3: -29.6,44.54 -28.692,44.54 -24.232,49 -23.2,49 -22.707,48.507 C60.1@-22.707,47.883 -22.432,47.608 U8.8@-22.432,46.32
  Bottom Layer w0.5: F1.2@-104.418,82.498 F1.2@-104.418,83.582 ; -33.6,44.54 -32.97,43.91 Q3.5@-32.97,42.4 ; -32.2,44.54 -31.7,44.04 Q3.6@-31.7,42.4 ; -30.9,44.4 -30.43,43.93 Q3.7@-30.43,42.4 ; -29.6,44.54 -29.16,44.1 Q3.8@-29.16,42.4
  Bottom Layer w1.2: F1.2@-104.418,83.582 -102.7,85.3 -96,85.3 -95.1,84.4 -95.1,66 -88.1,59 -72.7,59 -71.6,60.1 -61.7,60.1 -59.1,57.5 -59.1,51 -56.3,48.2 -48.1,48.2 -44.44,44.54 -33.6,44.54 -32.2,44.54 -29.6,44.54
CEC_A: U13.13 U27.1 U28.1 | length 88.2
  Signal Layer 1 w0.127: v2(7.4,78.8) 8.3,79.7 16.3,79.7 16.79,79.21 37.11,79.21 37.4,79.5 v2(37.5,79.5) ; v2(47.8,79.5) 48.446,78.854 66.195,78.854 67.741,80.4 78,80.4 v2(79.1,79.3)
  Signal Layer 2 w0.127: v2(37.5,79.5) v2(47.8,79.5)
  Bottom Layer w0.127: U13.13@3.8,83 5.4,83 7.4,81 v2(7.4,78.8) 7.4,78.3 8.725,76.975 U28.1@9.67,76.975 ; U27.1@77.63,75.925 78.525,75.925 79.04,76.44 79.04,79.24 v2(79.1,79.3)
CEC_B: J4.13 U27.7 | length 13.8
  Signal Layer 2 w0.127: v2(80.5,79.825) 83.9,83.225 v2(83.9,86.9)
  Bottom Layer w0.127: U27.7@77.63,79.825 v2(80.5,79.825) ; v2(83.9,86.9) J4.13@83.9,89.365
CEC_RX: CM1.151 U28.7 | length 20
  Signal Layer 2 w0.127: v2(11.5,73) 12.3,72.2 15.2,72.2 16.65,70.75 21.45,70.75 22.5,71.8 v2(25.2,71.8)
  Bottom Layer w0.127: U28.7@9.67,73.075 10.875,73.075 10.95,73 v2(11.5,73) ; CM1.151@24.18,69.5 24.7,69.5 25.2,70 v2(25.2,71.8)
CM4_RX: CM1.51 U29.P1_11 | length 52.6
  Signal Layer 2 w0.127: U29.P1_11@14.07,80.91 52.39,80.91 v2(57,76.3)
  Bottom Layer w0.127: v2(57,76.3) 57,69.8 57.3,69.5 CM1.51@58.1,69.5
CM4_SCL1: CM1.56 R81.2 U9.15A | length 132.5
  Signal Layer 1 w0.127: v2(-2.2,90.9) -1.2,89.9 32.4,89.9 v2(53.6,68.7) 59.5,62.8 74.9,62.8 v2(75.8,61.9)
  Signal Layer 2 w0.127: v2(75.8,61.9) 75.8,57.4 84.3,48.9 91.8,48.9 93.4,47.3 98.101,47.3 U9.15A@99.27,46.131
  Bottom Layer w0.127: R81.2@-9.5,88.2 -8.8,88.2 -6.1,90.9 v2(-2.2,90.9) ; v2(53.6,68.7) CM1.56@55.02,68.7
CM4_SDA1: CM1.58 R80.2 U9.13A | length 135.4
  Signal Layer 1 w0.127: v2(-3.2,90.4) -2.4,89.6 31.8,89.6 v2(53.6,67.8) 58.854,62.546 73.754,62.546 v2(75.2,61.1)
  Signal Layer 2 w0.127: v2(75.2,61.1) 75.2,57.1 83.7,48.6 91.5,48.6 95.1,45 97.861,45 U9.13A@99.27,43.591
  Bottom Layer w0.127: R80.2@-11.2,88.1 -10.5,87.4 -8.7,87.4 -5.7,90.4 v2(-3.2,90.4) ; v2(53.6,67.8) 54.1,68.3 CM1.58@55.02,68.3
CM4_TX: CM1.55 U29.P1_10 | length 52.2
  Signal Layer 2 w0.127: U29.P1_10@14.07,78.37 54.13,78.37 56.3,76.2 v2(56.2,76.2)
  Bottom Layer w0.127: v2(56.2,76.2) 56.2,69.4 56.9,68.7 CM1.55@58.1,68.7
CSP: L4.2 R60.2 U7.8 | length 6.9
  Bottom Layer w0.25: L4.2@-82.31,74.1 -80.8,74.1 -79.25,75.65 R60.2@-78.6,75.65 -77.9,75.65 -77.65,75.4 U7.8@-76.182,75.4
CT_HPD: U13.10 U27.12 | length 71.5
  Component Side w0.127: v2(30.5,85.5) 32.6,87.6 v2(62.8,87.6)
  Signal Layer 2 w0.127: v2(12,84.7) 29.7,84.7 v2(30.5,85.5) ; v2(62.8,87.6) 62.73,87.6 65.776,84.554 75.264,84.554 76.118,83.7 v2(77.63,83.7)
  Bottom Layer w0.127: U13.10@9.9,84.3 11.6,84.3 v2(12,84.7) ; U27.12@77.63,83.075 v2(77.63,83.7)
DRV: M3.1 U7.10 | length 13.3
  Component Side w0.5: v3(-78.6,77.9) -72.5,84 v3(-72.5,84.5)
  Bottom Layer w0.5: v3(-78.6,77.9) -78.1,77.4 U7.10@-76.182,77.4 ; v3(-72.5,84.5) M3.1@-72.5,86
EN_5V: "U22_PS7 5V.12" U29.P1_14 | length 78.4
  Signal Layer 1 w0.127: v2(27.6,43.7) v2(27.6,49.2)
  Signal Layer 2 w0.127: U29.P1_14@14.07,88.53 21.07,88.53 v2(23.4,86.2)
  Bottom Layer w0.127: v2(23.4,86.2) 27.6,82 v2(27.6,49.2) ; v2(27.6,43.7) 27.6,38.1 33.8,31.9 33.8,28.184 35.184,26.8 37.74,26.8 38.117,27.177 38.117,27.948
"FPGA Power Off": R44.2 U20.1 U29.P1_12 | length 93.8
  Signal Layer 2 w0.127: U29.P1_12@14.07,83.45 73.95,83.45 81.3,76.1 v2(81.3,71.8)
  Bottom Layer w0.127: v2(81.3,71.8) 84.1,71.8 88.6,67.3 88.6,62.471 86.6,60.471 R44.2@86.6,59.21 U20.1@85.425,59.21